# KiCad board DIP8breakout+potToUSB.kicad_pcb (continued)
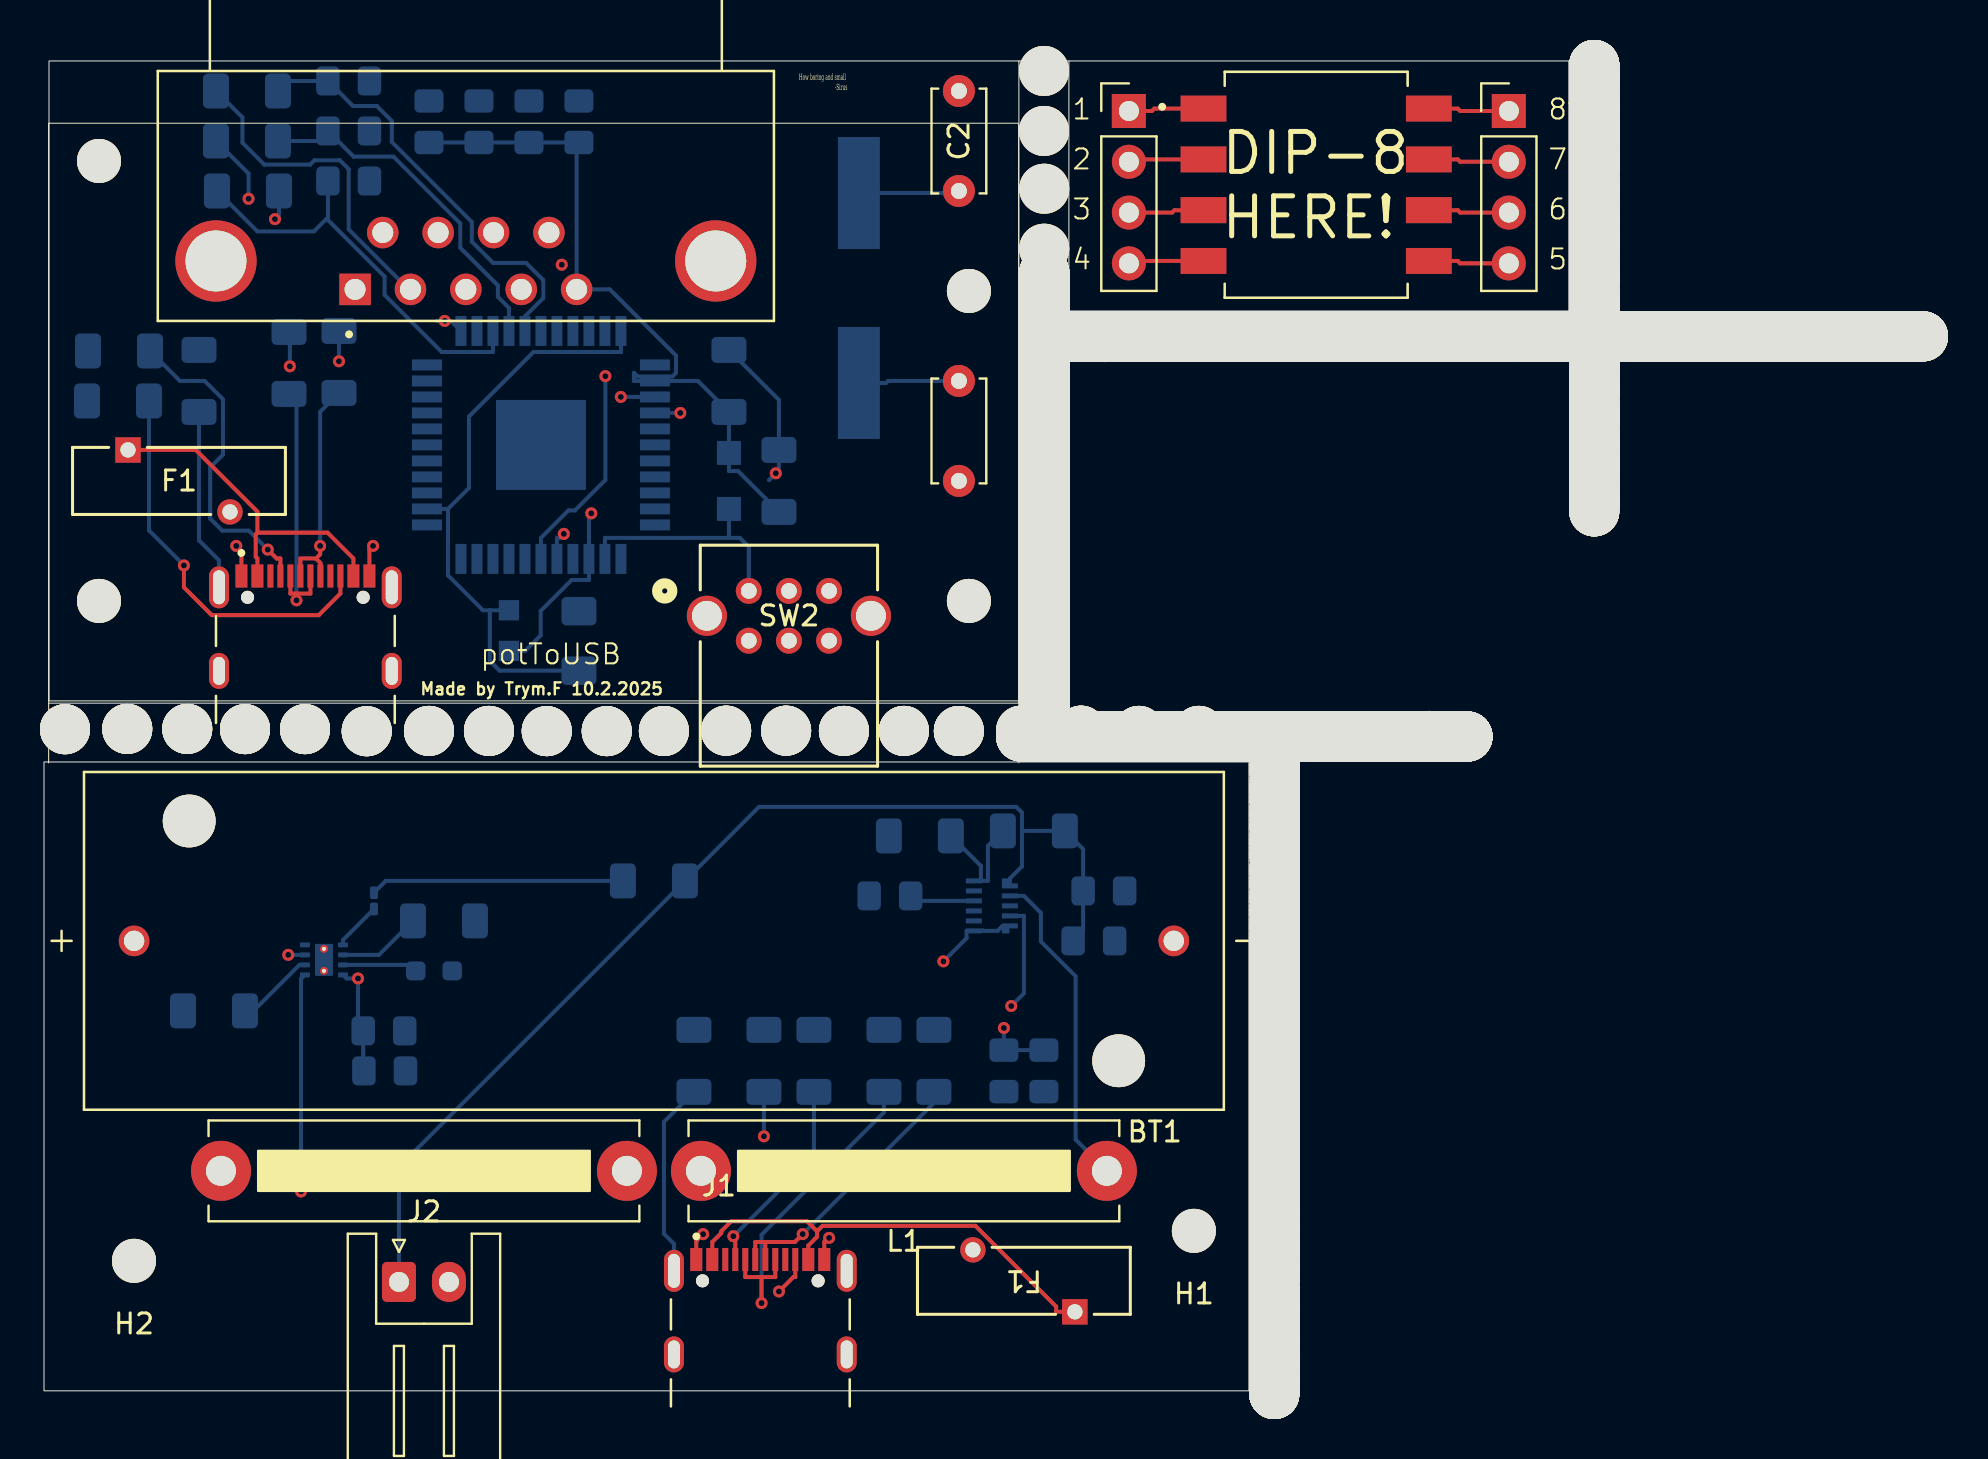
[diagram p0: board, top side]
## Placement (name value [footprint] x y rotation side) (continued)
NOREF#1089  -  [unnamed]  50.02 45.71 90 top
NOREF#1090  -  [unnamed]  65.96 32.72 0 top
NOREF#1091  -  [unnamed]  77.52 57.5 90 top
NOREF#1092  -  [unnamed]  52.68 32.72 0 top
NOREF#1093  -  [unnamed]  61.55 19.81 90 top
NOREF#1094  -  [unnamed]  77.52 64.24 90 top
NOREF#1095  -  [unnamed]  61.52 5.06 270 top
NOREF#1096  -  [unnamed]  58.32 32.72 0 top
NOREF#1097  -  [unnamed]  55.94 52.73 180 top
NOREF#1098  -  [unnamed]  65.54 52.73 180 top
NOREF#1099  -  [unnamed]  89.4 52.73 180 top
NOREF#1100  -  [unnamed]  77.28 52.73 180 top
NOREF#1101  -  [unnamed]  77.52 60.46 90 top
NOREF#1102  -  [unnamed]  77.52 63.34 90 top
NOREF#1103  -  [unnamed]  76.66 52.73 180 top
NOREF#1104  -  [unnamed]  78.88 52.73 180 top
NOREF#1105  -  [unnamed]  61.52 19.9 270 top
NOREF#1106  -  [unnamed]  50.02 45.05 90 top
NOREF#1107  -  [unnamed]  77.52 60.26 90 top
NOREF#1108  -  [unnamed]  77.52 57.9 90 top
NOREF#1109  -  [unnamed]  50.02 54.11 90 top
NOREF#1110  -  [unnamed]  77.52 63.84 90 top
NOREF#1111  -  [unnamed]  64.38 52.73 180 top
NOREF#1112  -  [unnamed]  61.55 9.61 90 top
NOREF#1113  -  [unnamed]  70.32 32.72 0 top
NOREF#1114  -  [unnamed]  77.52 50.48 90 top
NOREF#1115  -  [unnamed]  91 52.73 180 top
NOREF#1116  -  [unnamed]  64.88 32.72 0 top
NOREF#1117  -  [unnamed]  77.52 59.06 90 top
NOREF#1118  -  [unnamed]  50.02 35.39 90 top
NOREF#1119  -  [unnamed]  61.52 2.1 270 top
NOREF#1120  -  [unnamed]  79.54 52.73 180 top
NOREF#1121  -  [unnamed]  61.52 19.9 270 top
NOREF#1122  -  [unnamed]  50.02 51.35 90 top
NOREF#1123  -  [unnamed]  63.94 32.72 0 top
NOREF#1124  -  [unnamed]  77.52 66.3 90 top
NOREF#1125  -  [unnamed]  50.02 45.05 90 top
NOREF#1126  -  [unnamed]  77.52 45.78 90 top
NOREF#1127  -  [unnamed]  80.64 52.73 180 top
NOREF#1128  -  [unnamed]  61.52 19.5 270 top
NOREF#1129  -  [unnamed]  57.46 32.72 0 top
NOREF#1130  -  [unnamed]  77.52 61.28 90 top
NOREF#1131  -  [unnamed]  68.88 52.73 180 top
NOREF#1132  -  [unnamed]  57.46 32.72 0 top
NOREF#1133  -  [unnamed]  79.54 52.73 180 top
NOREF#1134  -  [unnamed]  62.12 32.72 0 top
NOREF#1135  -  [unnamed]  84.16 52.73 180 top
NOREF#1136  -  [unnamed]  50.02 50.27 90 top
NOREF#1137  -  [unnamed]  50.02 33.99 90 top
NOREF#1138  -  [unnamed]  50.02 55.71 90 top
NOREF#1139  -  [unnamed]  61.52 9.64 270 top
NOREF#1140  -  [unnamed]  90.6 52.73 180 top
NOREF#1141  -  [unnamed]  61.55 11.67 90 top
NOREF#1142  -  [unnamed]  65.96 32.72 0 top
NOREF#1143  -  [unnamed]  85.16 52.73 180 top
NOREF#1144  -  [unnamed]  76.66 52.73 180 top
NOREF#1145  -  [unnamed]  68.88 52.73 180 top
NOREF#1146  -  [unnamed]  69.38 32.72 0 top
NOREF#1147  -  [unnamed]  61.55 26.91 90 top
NOREF#1148  -  [unnamed]  93.56 52.73 180 top
NOREF#1149  -  [unnamed]  61.52 5.68 270 top
NOREF#1150  -  [unnamed]  61.55 20.01 90 top
NOREF#1151  -  [unnamed]  61.55 26.09 90 top
NOREF#1152  -  [unnamed]  61.52 17.8 270 top
NOREF#1153  -  [unnamed]  50.02 40.29 90 top
NOREF#1154  -  [unnamed]  61.55 25.43 90 top
NOREF#1155  -  [unnamed]  61.55 17.71 90 top
NOREF#1156  -  [unnamed]  87.26 52.73 180 top
NOREF#1157  -  [unnamed]  61.55 16.65 90 top
NOREF#1158  -  [unnamed]  61.55 25.89 90 top
NOREF#1159  -  [unnamed]  72.3 52.73 180 top
NOREF#1160  -  [unnamed]  92.7 52.73 180 top
NOREF#1161  -  [unnamed]  54.08 52.73 180 top
NOREF#1162  -  [unnamed]  54.28 52.73 180 top
NOREF#1163  -  [unnamed]  61.55 19.61 90 top
NOREF#1164  -  [unnamed]  77.52 57.04 90 top
NOREF#1165  -  [unnamed]  91 52.73 180 top
NOREF#1166  -  [unnamed]  65.34 32.72 0 top
NOREF#1167  -  [unnamed]  63.48 32.72 0 top
NOREF#1168  -  [unnamed]  49.46 32.72 0 top
NOREF#1169  -  [unnamed]  63.08 32.72 0 top
NOREF#1170  -  [unnamed]  49.72 32.72 0 top
NOREF#1171  -  [unnamed]  66.94 52.73 180 top
NOREF#1172  -  [unnamed]  77.52 47.8 90 top
NOREF#1173  -  [unnamed]  61.55 18.41 90 top
NOREF#1174  -  [unnamed]  61.52 9.3 270 top
NOREF#1175  -  [unnamed]  61.52 18.14 270 top
NOREF#1176  -  [unnamed]  77.52 61.94 90 top
NOREF#1177  -  [unnamed]  52.22 32.72 0 top
NOREF#1178  -  [unnamed]  77.52 62.68 90 top
NOREF#1179  -  [unnamed]  51.52 52.73 180 top
NOREF#1180  -  [unnamed]  61.78 52.73 180 top
NOREF#1181  -  [unnamed]  61.98 52.73 180 top
NOREF#1182  -  [unnamed]  61.55 17.51 90 top
NOREF#1183  -  [unnamed]  56.14 52.73 180 top
NOREF#1184  -  [unnamed]  61.55 23.33 90 top
NOREF#1185  -  [unnamed]  61.52 3.46 270 top
NOREF#1186  -  [unnamed]  61.55 13.97 90 top
NOREF#1187  -  [unnamed]  50.02 46.45 90 top
NOREF#1188  -  [unnamed]  61.55 22.27 90 top
NOREF#1189  -  [unnamed]  61.55 13.43 90 top
NOREF#1190  -  [unnamed]  91.96 52.73 180 top
NOREF#1191  -  [unnamed]  81.1 52.73 180 top
NOREF#1192  -  [unnamed]  61.55 10.47 90 top
NOREF#1193  -  [unnamed]  57.16 52.73 180 top
NOREF#1194  -  [unnamed]  88.12 52.73 180 top
NOREF#1195  -  [unnamed]  83.76 52.73 180 top
NOREF#1196  -  [unnamed]  77.52 52.28 90 top
NOREF#1197  -  [unnamed]  61.55 23.13 90 top
NOREF#1198  -  [unnamed]  58.32 32.72 0 top
NOREF#1199  -  [unnamed]  51.32 52.73 180 top
NOREF#1200  -  [unnamed]  90.14 52.73 180 top
NOREF#1201  -  [unnamed]  79.08 52.73 180 top
NOREF#1202  -  [unnamed]  50.02 44.25 90 top
NOREF#1203  -  [unnamed]  50.02 35.65 90 top
NOREF#1204  -  [unnamed]  71.44 52.73 180 top
NOREF#1205  -  [unnamed]  61.55 29.47 90 top
NOREF#1206  -  [unnamed]  72.5 52.73 180 top
NOREF#1207  -  [unnamed]  61.52 11.1 270 top
NOREF#1208  -  [unnamed]  56.1 32.72 0 top
NOREF#1209  -  [unnamed]  50.02 37.41 90 top
NOREF#1210  -  [unnamed]  61.52 7.08 270 top
NOREF#1211  -  [unnamed]  61.55 12.57 90 top
NOREF#1212  -  [unnamed]  83.96 52.73 180 top
NOREF#1213  -  [unnamed]  61.55 24.03 90 top
NOREF#1214  -  [unnamed]  61.55 18.41 90 top
NOREF#1215  -  [unnamed]  50.02 36.75 90 top
NOREF#1216  -  [unnamed]  92.9 52.73 180 top
NOREF#1217  -  [unnamed]  61.52 9.84 270 top
NOREF#1218  -  [unnamed]  71.64 52.73 180 top
NOREF#1219  -  [unnamed]  50.02 40.49 90 top
NOREF#1220  -  [unnamed]  59.26 32.72 0 top
NOREF#1221  -  [unnamed]  61.55 27.57 90 top
NOREF#1222  -  [unnamed]  77.52 45.58 90 top
NOREF#1223  -  [unnamed]  75.06 52.73 180 top
NOREF#1224  -  [unnamed]  50.02 44.45 90 top
NOREF#1225  -  [unnamed]  77.52 57.5 90 top
NOREF#1226  -  [unnamed]  61.52 8.24 270 top
NOREF#1227  -  [unnamed]  73.04 52.73 180 top
NOREF#1228  -  [unnamed]  50.02 49.41 90 top
NOREF#1229  -  [unnamed]  50.02 45.25 90 top
NOREF#1230  -  [unnamed]  61.52 10.04 270 top
NOREF#1231  -  [unnamed]  61.55 28.31 90 top
NOREF#1232  -  [unnamed]  54.9 32.72 0 top
NOREF#1233  -  [unnamed]  61.55 28.97 90 top
NOREF#1234  -  [unnamed]  77.52 61.08 90 top
NOREF#1235  -  [unnamed]  69.62 52.73 180 top
NOREF#1236  -  [unnamed]  61.52 2.1 270 top
NOREF#1237  -  [unnamed]  50.02 42.59 90 top
NOREF#1238  -  [unnamed]  87.46 52.73 180 top
NOREF#1239  -  [unnamed]  50.02 49.41 90 top
NOREF#1240  -  [unnamed]  61.55 23.83 90 top
NOREF#1241  -  [unnamed]  50.02 44.85 90 top
NOREF#1242  -  [unnamed]  78.34 52.73 180 top
NOREF#1243  -  [unnamed]  77.52 50.68 90 top
NOREF#1244  -  [unnamed]  71.84 52.73 180 top
NOREF#1245  -  [unnamed]  61.55 18.41 90 top
NOREF#1246  -  [unnamed]  93.1 52.73 180 top
NOREF#1247  -  [unnamed]  77.52 61.74 90 top
NOREF#1248  -  [unnamed]  50.02 51.09 90 top
NOREF#1249  -  [unnamed]  77.52 52.58 90 top
NOREF#1250  -  [unnamed]  65.34 52.73 180 top
NOREF#1251  -  [unnamed]  56.76 32.72 0 top
NOREF#1252  -  [unnamed]  50.02 53.85 90 top
NOREF#1253  -  [unnamed]  80.44 52.73 180 top
NOREF#1254  -  [unnamed]  71.64 52.73 180 top
NOREF#1255  -  [unnamed]  81.1 52.73 180 top
NOREF#1256  -  [unnamed]  50.02 51.75 90 top
NOREF#1257  -  [unnamed]  77.52 65.44 90 top
NOREF#1258  -  [unnamed]  61.52 13.36 270 top
NOREF#1259  -  [unnamed]  77.52 50.68 90 top
NOREF#1260  -  [unnamed]  61.55 31.73 90 top
NOREF#1261  -  [unnamed]  53.22 32.72 0 top
NOREF#1262  -  [unnamed]  72.3 52.73 180 top
NOREF#1263  -  [unnamed]  77.52 64.7 90 top
NOREF#1264  -  [unnamed]  51.52 52.73 180 top
NOREF#1265  -  [unnamed]  59.72 52.73 180 top
NOREF#1266  -  [unnamed]  61.55 27.37 90 top
NOREF#1267  -  [unnamed]  50.02 43.59 90 top
NOREF#1268  -  [unnamed]  51.32 32.72 0 top
NOREF#1269  -  [unnamed]  51.32 32.72 0 top
NOREF#1270  -  [unnamed]  72.04 52.73 180 top
NOREF#1271  -  [unnamed]  77.52 48 90 top
NOREF#1272  -  [unnamed]  61.52 13.76 270 top
NOREF#1273  -  [unnamed]  68.02 52.73 180 top
NOREF#1274  -  [unnamed]  61.55 31.93 90 top
NOREF#1275  -  [unnamed]  77.52 46.94 90 top
NOREF#1276  -  [unnamed]  61.52 0.7 270 top
NOREF#1277  -  [unnamed]  59.26 32.72 0 top
NOREF#1278  -  [unnamed]  61.55 12.27 90 top
NOREF#1279  -  [unnamed]  50.02 45.05 90 top
NOREF#1280  -  [unnamed]  51.32 52.73 180 top
NOREF#1281  -  [unnamed]  61.52 7.28 270 top
NOREF#1282  -  [unnamed]  53.88 32.72 0 top
NOREF#1283  -  [unnamed]  86.92 52.73 180 top
NOREF#1284  -  [unnamed]  50.02 51.55 90 top
NOREF#1285  -  [unnamed]  63.24 52.73 180 top
NOREF#1286  -  [unnamed]  66 52.73 180 top
NOREF#1287  -  [unnamed]  50.02 52.55 90 top
NOREF#1288  -  [unnamed]  77.52 44.18 90 top
NOREF#1289  -  [unnamed]  77.52 64.04 90 top
NOREF#1290  -  [unnamed]  78.14 52.73 180 top
NOREF#1291  -  [unnamed]  61.55 28.11 90 top
NOREF#1292  -  [unnamed]  50.02 35.39 90 top
NOREF#1293  -  [unnamed]  77.52 47.8 90 top
NOREF#1294  -  [unnamed]  61.92 32.72 0 top
NOREF#1295  -  [unnamed]  77.52 52.58 90 top
NOREF#1296  -  [unnamed]  90.8 52.73 180 top
NOREF#1297  -  [unnamed]  85.16 52.73 180 top
NOREF#1298  -  [unnamed]  61.55 20.01 90 top
NOREF#1299  -  [unnamed]  63.08 32.72 0 top
NOREF#1300  -  [unnamed]  61.55 25.43 90 top
NOREF#1301  -  [unnamed]  61.55 12.97 90 top
NOREF#1302  -  [unnamed]  69.58 32.72 0 top
NOREF#1303  -  [unnamed]  83.1 52.73 180 top
NOREF#1304  -  [unnamed]  72.7 52.73 180 top
NOREF#1305  -  [unnamed]  50.02 38.35 90 top
NOREF#1306  -  [unnamed]  74.6 52.73 180 top
NOREF#1307  -  [unnamed]  61.52 14.72 270 top
NOREF#1308  -  [unnamed]  61.52 1.44 270 top
NOREF#1309  -  [unnamed]  77.52 46.44 90 top
NOREF#1310  -  [unnamed]  50.66 32.72 0 top
NOREF#1311  -  [unnamed]  61.55 26.29 90 top
NOREF#1312  -  [unnamed]  61.12 52.73 180 top
NOREF#1313  -  [unnamed]  54.08 52.73 180 top
NOREF#1314  -  [unnamed]  50.02 47.81 90 top
NOREF#1315  -  [unnamed]  61.55 12.57 90 top
NOREF#1316  -  [unnamed]  61.55 17.05 90 top
NOREF#1317  -  [unnamed]  55.36 32.72 0 top
NOREF#1318  -  [unnamed]  61.52 20.76 270 top
NOREF#1319  -  [unnamed]  50.02 49.41 90 top
NOREF#1320  -  [unnamed]  50.02 35.59 90 top
NOREF#1321  -  [unnamed]  61.52 4.86 270 top
NOREF#1322  -  [unnamed]  61.52 1.64 270 top
NOREF#1323  -  [unnamed]  77.52 45.78 90 top
NOREF#1324  -  [unnamed]  60.38 52.73 180 top
NOREF#1325  -  [unnamed]  50.02 40.09 90 top
NOREF#1326  -  [unnamed]  64.48 32.72 0 top
NOREF#1327  -  [unnamed]  50.02 55.71 90 top
NOREF#1328  -  [unnamed]  89.4 52.73 180 top
NOREF#1329  -  [unnamed]  73.04 52.73 180 top
NOREF#1330  -  [unnamed]  77.52 56.1 90 top
NOREF#1331  -  [unnamed]  77.52 58.2 90 top
NOREF#1332  -  [unnamed]  61.52 9.3 270 top
NOREF#1333  -  [unnamed]  59.02 52.73 180 top
NOREF#1334  -  [unnamed]  61.52 21.1 270 top
NOREF#1335  -  [unnamed]  68.42 52.73 180 top
NOREF#1336  -  [unnamed]  61.55 20.47 90 top
NOREF#1337  -  [unnamed]  50.02 46.65 90 top
NOREF#1338  -  [unnamed]  61.55 20.27 90 top
NOREF#1339  -  [unnamed]  50.02 36.05 90 top
NOREF#1340  -  [unnamed]  77.52 57.7 90 top
NOREF#1341  -  [unnamed]  58.36 52.73 180 top
NOREF#1342  -  [unnamed]  55.76 32.72 0 top
NOREF#1343  -  [unnamed]  61.98 52.73 180 top
NOREF#1344  -  [unnamed]  74.8 52.73 180 top
NOREF#1345  -  [unnamed]  50.02 50.89 90 top
NOREF#1346  -  [unnamed]  77.28 52.73 180 top
NOREF#1347  -  [unnamed]  65.74 52.73 180 top
NOREF#1348  -  [unnamed]  58.36 52.73 180 top
NOREF#1349  -  [unnamed]  61.55 28.11 90 top
NOREF#1350  -  [unnamed]  74.1 52.73 180 top
NOREF#1351  -  [unnamed]  67.4 52.73 180 top
NOREF#1352  -  [unnamed]  77.52 48.54 90 top
NOREF#1353  -  [unnamed]  62.38 32.72 0 top
NOREF#1354  -  [unnamed]  55.1 32.72 0 top
NOREF#1355  -  [unnamed]  66.74 52.73 180 top
NOREF#1356  -  [unnamed]  61.52 5.88 270 top
NOREF#1357  -  [unnamed]  64.44 52.73 180 top
NOREF#1358  -  [unnamed]  68.22 52.73 180 top
NOREF#1359  -  [unnamed]  54.28 52.73 180 top
NOREF#1360  -  [unnamed]  61.55 21.93 90 top
NOREF#1361  -  [unnamed]  73.9 52.73 180 top
NOREF#1362  -  [unnamed]  50.02 40.29 90 top
NOREF#1363  -  [unnamed]  77.52 62.14 90 top
NOREF#1364  -  [unnamed]  50.02 36.25 90 top
NOREF#1365  -  [unnamed]  83.5 52.73 180 top
NOREF#1366  -  [unnamed]  50.02 37.41 90 top
NOREF#1367  -  [unnamed]  88.74 52.73 180 top
NOREF#1368  -  [unnamed]  61.55 28.31 90 top
NOREF#1369  -  [unnamed]  61.55 25.23 90 top
NOREF#1370  -  [unnamed]  61.55 15.03 90 top
NOREF#1371  -  [unnamed]  85.36 52.73 180 top
NOREF#1372  -  [unnamed]  77.52 62.68 90 top
NOREF#1373  -  [unnamed]  50.02 47.61 90 top
NOREF#1374  -  [unnamed]  77.52 56.84 90 top
NOREF#1375  -  [unnamed]  66.54 52.73 180 top
NOREF#1376  -  [unnamed]  50.02 47.51 90 top
NOREF#1377  -  [unnamed]  77.52 46.24 90 top
NOREF#1378  -  [unnamed]  77.52 50.88 90 top
NOREF#1379  -  [unnamed]  77.52 54.84 90 top
NOREF#1380  -  [unnamed]  77.52 45.78 90 top
NOREF#1381  -  [unnamed]  50.02 52.55 90 top
NOREF#1382  -  [unnamed]  61.55 23.13 90 top
NOREF#1383  -  [unnamed]  77.52 46.24 90 top
NOREF#1384  -  [unnamed]  61.55 30.33 90 top
NOREF#1385  -  [unnamed]  59.22 52.73 180 top
NOREF#1386  -  [unnamed]  50.02 47.81 90 top
NOREF#1387  -  [unnamed]  61.55 11.41 90 top
NOREF#1388  -  [unnamed]  61.52 3 270 top
NOREF#1389  -  [unnamed]  77.52 54.18 90 top
NOREF#1390  -  [unnamed]  74.6 52.73 180 top
NOREF#1391  -  [unnamed]  72.5 52.73 180 top
NOREF#1392  -  [unnamed]  76.66 52.73 180 top
NOREF#1393  -  [unnamed]  61.55 21.07 90 top
NOREF#1394  -  [unnamed]  61.55 28.97 90 top
NOREF#1395  -  [unnamed]  52.28 32.72 0 top
NOREF#1396  -  [unnamed]  50.02 36.75 90 top
NOREF#1397  -  [unnamed]  50.02 51.55 90 top
NOREF#1398  -  [unnamed]  86.06 52.73 180 top
NOREF#1399  -  [unnamed]  56.3 32.72 0 top
NOREF#1400  -  [unnamed]  61.52 6.34 270 top
NOREF#1401  -  [unnamed]  77.52 58.66 90 top
NOREF#1402  -  [unnamed]  77.52 56.3 90 top
NOREF#1403  -  [unnamed]  61.52 3.86 270 top
NOREF#1404  -  [unnamed]  49.06 32.72 0 top
NOREF#1405  -  [unnamed]  74.6 52.73 180 top
NOREF#1406  -  [unnamed]  61.52 10.5 270 top
NOREF#1407  -  [unnamed]  61.55 20.27 90 top
NOREF#1408  -  [unnamed]  76 52.73 180 top
NOREF#1409  -  [unnamed]  78.14 52.73 180 top
NOREF#1410  -  [unnamed]  61.52 15.26 270 top
NOREF#1411  -  [unnamed]  77.52 53.44 90 top
NOREF#1412  -  [unnamed]  61.55 26.71 90 top
NOREF#1413  -  [unnamed]  63.24 52.73 180 top
NOREF#1414  -  [unnamed]  56.5 32.72 0 top
NOREF#1415  -  [unnamed]  61.55 17.91 90 top
NOREF#1416  -  [unnamed]  77.52 44.58 90 top
NOREF#1417  -  [unnamed]  75.8 52.73 180 top
NOREF#1418  -  [unnamed]  61.52 2.1 270 top
NOREF#1419  -  [unnamed]  64.18 52.73 180 top
NOREF#1420  -  [unnamed]  51.12 52.73 180 top
NOREF#1421  -  [unnamed]  77.52 46.94 90 top
NOREF#1422  -  [unnamed]  81.64 52.73 180 top
NOREF#1423  -  [unnamed]  58.32 32.72 0 top
NOREF#1424  -  [unnamed]  61.52 4.86 270 top
NOREF#1425  -  [unnamed]  50.02 38.81 90 top
NOREF#1426  -  [unnamed]  82.9 52.73 180 top
NOREF#1427  -  [unnamed]  50.02 43.05 90 top
NOREF#1428  -  [unnamed]  52.02 32.72 0 top
NOREF#1429  -  [unnamed]  61.52 8.9 270 top
NOREF#1430  -  [unnamed]  50.26 32.72 0 top
NOREF#1431  -  [unnamed]  61.55 24.29 90 top
NOREF#1432  -  [unnamed]  61.55 25.63 90 top
NOREF#1433  -  [unnamed]  79.28 52.73 180 top
NOREF#1434  -  [unnamed]  77.52 60.46 90 top
NOREF#1435  -  [unnamed]  50.02 43.99 90 top
NOREF#1436  -  [unnamed]  78.88 52.73 180 top
NOREF#1437  -  [unnamed]  63.28 32.72 0 top
NOREF#1438  -  [unnamed]  61.52 17.14 270 top
NOREF#1439  -  [unnamed]  83.1 52.73 180 top
NOREF#1440  -  [unnamed]  61.52 17.6 270 top
NOREF#1441  -  [unnamed]  61.55 21.27 90 top
NOREF#1442  -  [unnamed]  74.1 52.73 180 top
NOREF#1443  -  [unnamed]  77.52 56.5 90 top
NOREF#1444  -  [unnamed]  61.52 8.24 270 top
NOREF#1445  -  [unnamed]  61.52 14.46 270 top
NOREF#1446  -  [unnamed]  87.26 52.73 180 top
NOREF#1447  -  [unnamed]  56.34 52.73 180 top
NOREF#1448  -  [unnamed]  61.52 1.44 270 top
NOREF#1449  -  [unnamed]  50.02 52.29 90 top
NOREF#1450  -  [unnamed]  77.52 61.08 90 top
NOREF#1451  -  [unnamed]  84.7 52.73 180 top
NOREF#1452  -  [unnamed]  61.52 2.3 270 top
NOREF#1453  -  [unnamed]  61.55 29.17 90 top
NOREF#1454  -  [unnamed]  54.08 52.73 180 top
NOREF#1455  -  [unnamed]  61.52 13.56 270 top
NOREF#1456  -  [unnamed]  49.26 32.72 0 top
NOREF#1457  -  [unnamed]  50.02 43.05 90 top
NOREF#1458  -  [unnamed]  61.52 22.16 270 top
NOREF#1459  -  [unnamed]  50.02 48.01 90 top
NOREF#1460  -  [unnamed]  83.76 52.73 180 top
NOREF#1461  -  [unnamed]  81.64 52.73 180 top
NOREF#1462  -  [unnamed]  89.4 52.73 180 top
NOREF#1463  -  [unnamed]  77.52 45.58 90 top
NOREF#1464  -  [unnamed]  72.78 52.73 180 top
NOREF#1465  -  [unnamed]  67.8 52.73 180 top
NOREF#1466  -  [unnamed]  61.52 10.5 270 top
NOREF#1467  -  [unnamed]  62.58 32.72 0 top
NOREF#1468  -  [unnamed]  61.55 26.29 90 top
NOREF#1469  -  [unnamed]  61.55 21.27 90 top
NOREF#1470  -  [unnamed]  67.56 32.72 0 top
NOREF#1471  -  [unnamed]  70.98 52.73 180 top
NOREF#1472  -  [unnamed]  61.55 21.27 90 top
NOREF#1473  -  [unnamed]  61.55 23.33 90 top
NOREF#1474  -  [unnamed]  61.52 3 270 top
NOREF#1475  -  [unnamed]  54.94 52.73 180 top
NOREF#1476  -  [unnamed]  61.52 16.12 270 top
NOREF#1477  -  [unnamed]  77.52 44.58 90 top
NOREF#1478  -  [unnamed]  77.52 64.5 90 top
NOREF#1479  -  [unnamed]  53.78 52.73 180 top
NOREF#1480  -  [unnamed]  50.02 47.31 90 top
NOREF#1481  -  [unnamed]  61.52 11.96 270 top
NOREF#1482  -  [unnamed]  61.52 16.32 270 top
NOREF#1483  -  [unnamed]  68.88 52.73 180 top
NOREF#1484  -  [unnamed]  50.02 36.75 90 top
NOREF#1485  -  [unnamed]  55.48 52.73 180 top
NOREF#1486  -  [unnamed]  58.32 32.72 0 top
NOREF#1487  -  [unnamed]  85.36 52.73 180 top
NOREF#1488  -  [unnamed]  76.2 52.73 180 top
NOREF#1489  -  [unnamed]  61.52 15.66 270 top
NOREF#1490  -  [unnamed]  61.52 10.04 270 top
NOREF#1491  -  [unnamed]  61.52 6.54 270 top
NOREF#1492  -  [unnamed]  66.36 32.72 0 top
NOREF#1493  -  [unnamed]  77.52 48.34 90 top
NOREF#1494  -  [unnamed]  52.92 52.73 180 top
NOREF#1495  -  [unnamed]  68.22 52.73 180 top
NOREF#1496  -  [unnamed]  61.55 10.27 90 top
NOREF#1497  -  [unnamed]  61.55 13.23 90 top
NOREF#1498  -  [unnamed]  77.52 44.64 90 top
NOREF#1499  -  [unnamed]  77.52 62.48 90 top
NOREF#1500  -  [unnamed]  50.02 55.71 90 top
NOREF#1501  -  [unnamed]  56.34 52.73 180 top
NOREF#1502  -  [unnamed]  77.52 62.48 90 top
NOREF#1503  -  [unnamed]  77.52 51.88 90 top
NOREF#1504  -  [unnamed]  77.52 47.8 90 top
NOREF#1505  -  [unnamed]  50.02 53.65 90 top
NOREF#1506  -  [unnamed]  71.84 52.73 180 top
NOREF#1507  -  [unnamed]  50.02 38.15 90 top
NOREF#1508  -  [unnamed]  66.74 52.73 180 top
NOREF#1509  -  [unnamed]  50.02 49.41 90 top
NOREF#1510  -  [unnamed]  73.44 52.73 180 top
NOREF#1511  -  [unnamed]  88.74 52.73 180 top
NOREF#1512  -  [unnamed]  61.52 0.04 270 top
NOREF#1513  -  [unnamed]  69.62 52.73 180 top
NOREF#1514  -  [unnamed]  50.02 46.45 90 top
NOREF#1515  -  [unnamed]  61.55 28.11 90 top
NOREF#1516  -  [unnamed]  82.1 52.73 180 top
NOREF#1517  -  [unnamed]  71.84 52.73 180 top
NOREF#1518  -  [unnamed]  60.12 32.72 0 top
NOREF#1519  -  [unnamed]  50.02 55.25 90 top
NOREF#1520  -  [unnamed]  59.72 32.72 0 top
NOREF#1521  -  [unnamed]  77.52 48.74 90 top
NOREF#1522  -  [unnamed]  61.52 5.68 270 top
NOREF#1523  -  [unnamed]  62.58 32.72 0 top
NOREF#1524  -  [unnamed]  50.02 38.15 90 top
NOREF#1525  -  [unnamed]  79.54 52.73 180 top
NOREF#1526  -  [unnamed]  61.55 20.47 90 top
NOREF#1527  -  [unnamed]  64.64 52.73 180 top
NOREF#1528  -  [unnamed]  93.3 52.73 180 top
NOREF#1529  -  [unnamed]  61.55 12.77 90 top
NOREF#1530  -  [unnamed]  61.55 11.01 90 top
NOREF#1531  -  [unnamed]  63.44 52.73 180 top
NOREF#1532  -  [unnamed]  61.55 16.11 90 top
NOREF#1533  -  [unnamed]  72.04 52.73 180 top
NOREF#1534  -  [unnamed]  61.52 7.54 270 top
NOREF#1535  -  [unnamed]  73.44 52.73 180 top
NOREF#1536  -  [unnamed]  61.52 18.74 270 top
NOREF#1537  -  [unnamed]  61.52 10.04 270 top
NOREF#1538  -  [unnamed]  50.02 47.31 90 top
NOREF#1539  -  [unnamed]  60.92 52.73 180 top
NOREF#1540  -  [unnamed]  50.02 47.11 90 top
NOREF#1541  -  [unnamed]  75.46 52.73 180 top
NOREF#1542  -  [unnamed]  50.02 42.19 90 top
NOREF#1543  -  [unnamed]  56.34 52.73 180 top
NOREF#1544  -  [unnamed]  68.22 32.72 0 top
NOREF#1545  -  [unnamed]  61.52 2.8 270 top
NOREF#1546  -  [unnamed]  58.56 52.73 180 top
NOREF#1547  -  [unnamed]  50.02 46.45 90 top
NOREF#1548  -  [unnamed]  63.98 52.73 180 top
NOREF#1549  -  [unnamed]  70.78 52.73 180 top
NOREF#1550  -  [unnamed]  61.52 13.56 270 top
NOREF#1551  -  [unnamed]  77.52 50.02 90 top
NOREF#1552  -  [unnamed]  77.52 51.22 90 top
NOREF#1553  -  [unnamed]  61.52 7.28 270 top
NOREF#1554  -  [unnamed]  68.92 32.72 0 top
NOREF#1555  -  [unnamed]  61.52 11.3 270 top
NOREF#1556  -  [unnamed]  76 52.73 180 top
NOREF#1557  -  [unnamed]  59.26 32.72 0 top
NOREF#1558  -  [unnamed]  50.02 52.29 90 top
NOREF#1559  -  [unnamed]  77.52 51.68 90 top
NOREF#1560  -  [unnamed]  54.74 52.73 180 top
NOREF#1561  -  [unnamed]  77.52 60 90 top
NOREF#1562  -  [unnamed]  71.84 52.73 180 top
NOREF#1563  -  [unnamed]  67.4 52.73 180 top
NOREF#1564  -  [unnamed]  50.02 50.27 90 top
NOREF#1565  -  [unnamed]  64.88 32.72 0 top
NOREF#1566  -  [unnamed]  64.64 52.73 180 top
NOREF#1567  -  [unnamed]  69.18 32.72 0 top
NOREF#1568  -  [unnamed]  79.54 52.73 180 top
NOREF#1569  -  [unnamed]  77.52 62.14 90 top
NOREF#1570  -  [unnamed]  61.52 9.64 270 top
NOREF#1571  -  [unnamed]  61.52 13.56 270 top
NOREF#1572  -  [unnamed]  93.76 52.73 180 top
NOREF#1573  -  [unnamed]  61.55 21.07 90 top
NOREF#1574  -  [unnamed]  50.02 51.55 90 top
NOREF#1575  -  [unnamed]  61.52 10.5 270 top
NOREF#1576  -  [unnamed]  61.55 24.23 90 top
NOREF#1577  -  [unnamed]  50.02 41.69 90 top
NOREF#1578  -  [unnamed]  61.55 27.17 90 top
NOREF#1579  -  [unnamed]  54.74 52.73 180 top
NOREF#1580  -  [unnamed]  78.68 52.73 180 top
NOREF#1581  -  [unnamed]  61.52 13.36 270 top
NOREF#1582  -  [unnamed]  65.34 52.73 180 top
NOREF#1583  -  [unnamed]  84.5 52.73 180 top
NOREF#1584  -  [unnamed]  69.62 52.73 180 top
NOREF#1585  -  [unnamed]  77.52 63.84 90 top
NOREF#1586  -  [unnamed]  61.52 12.7 270 top
NOREF#1587  -  [unnamed]  50.02 49.61 90 top
NOREF#1588  -  [unnamed]  89.4 52.73 180 top
NOREF#1589  -  [unnamed]  61.55 19.07 90 top
NOREF#1590  -  [unnamed]  54.54 52.73 180 top
NOREF#1591  -  [unnamed]  77.52 62.68 90 top
NOREF#1592  -  [unnamed]  53.42 32.72 0 top
NOREF#1593  -  [unnamed]  61.55 14.17 90 top
NOREF#1594  -  [unnamed]  61.52 16.12 270 top
NOREF#1595  -  [unnamed]  50.02 41.49 90 top
NOREF#1596  -  [unnamed]  61.55 15.45 90 top
NOREF#1597  -  [unnamed]  50.02 37.95 90 top
NOREF#1598  -  [unnamed]  77.52 59.8 90 top
NOREF#1599  -  [unnamed]  77.52 53.24 90 top
NOREF#1600  -  [unnamed]  61.32 52.73 180 top
NOREF#1601  -  [unnamed]  92.56 52.73 180 top
NOREF#1602  -  [unnamed]  77.52 60.46 90 top
NOREF#1603  -  [unnamed]  61.55 21.27 90 top
NOREF#1604  -  [unnamed]  59.72 32.72 0 top
NOREF#1605  -  [unnamed]  68.72 32.72 0 top
NOREF#1606  -  [unnamed]  61.55 14.83 90 top
NOREF#1607  -  [unnamed]  61.52 4.4 270 top
NOREF#1608  -  [unnamed]  50.02 35.19 90 top
NOREF#1609  -  [unnamed]  61.55 28.97 90 top
NOREF#1610  -  [unnamed]  61.55 13.43 90 top
NOREF#1611  -  [unnamed]  80.44 52.73 180 top
NOREF#1612  -  [unnamed]  61.52 10.7 270 top
NOREF#1613  -  [unnamed]  83.76 52.73 180 top
NOREF#1614  -  [unnamed]  61.52 3.46 270 top
NOREF#1615  -  [unnamed]  79.08 52.73 180 top
NOREF#1616  -  [unnamed]  62.18 32.72 0 top
NOREF#1617  -  [unnamed]  77.52 64.5 90 top
NOREF#1618  -  [unnamed]  66.74 52.73 180 top
NOREF#1619  -  [unnamed]  77.52 45.24 90 top
NOREF#1620  -  [unnamed]  77.52 43.98 90 top
NOREF#1621  -  [unnamed]  77.52 56.5 90 top
NOREF#1622  -  [unnamed]  62.38 32.72 0 top
NOREF#1623  -  [unnamed]  66.74 52.73 180 top
NOREF#1624  -  [unnamed]  66.16 32.72 0 top
NOREF#1625  -  [unnamed]  50.02 35.85 90 top
NOREF#1626  -  [unnamed]  77.52 44.38 90 top
NOREF#1627  -  [unnamed]  91 52.73 180 top
NOREF#1628  -  [unnamed]  77.52 52.98 90 top
NOREF#1629  -  [unnamed]  81.3 52.73 180 top
NOREF#1630  -  [unnamed]  77.52 56.84 90 top
NOREF#1631  -  [unnamed]  77.52 57.5 90 top
NOREF#1632  -  [unnamed]  77.52 63.34 90 top
NOREF#1633  -  [unnamed]  61.52 20.56 270 top
NOREF#1634  -  [unnamed]  50.02 52.29 90 top
NOREF#1635  -  [unnamed]  77.52 61.74 90 top
NOREF#1636  -  [unnamed]  61.52 1.64 270 top
NOREF#1637  -  [unnamed]  61.55 28.51 90 top
NOREF#1638  -  [unnamed]  77.52 44.58 90 top
NOREF#1639  -  [unnamed]  68.02 32.72 0 top
NOREF#1640  -  [unnamed]  61.52 10.9 270 top
NOREF#1641  -  [unnamed]  77.52 64.5 90 top
NOREF#1642  -  [unnamed]  93.1 52.73 180 top
